# Altium PCB 第十三届电磁PCB.PcbDoc (part 2 of 2)
Units mil, origin at the board's own origin, x right, y up, seen from the top; angles counter-clockwise.
Board outline 3925 x 2095 mil, 2 copper layers (Top Layer, Bottom Layer); 144 components, 101 nets, 511 pads, 324 vias.
Unrouted connection lines stored in the file: 143.
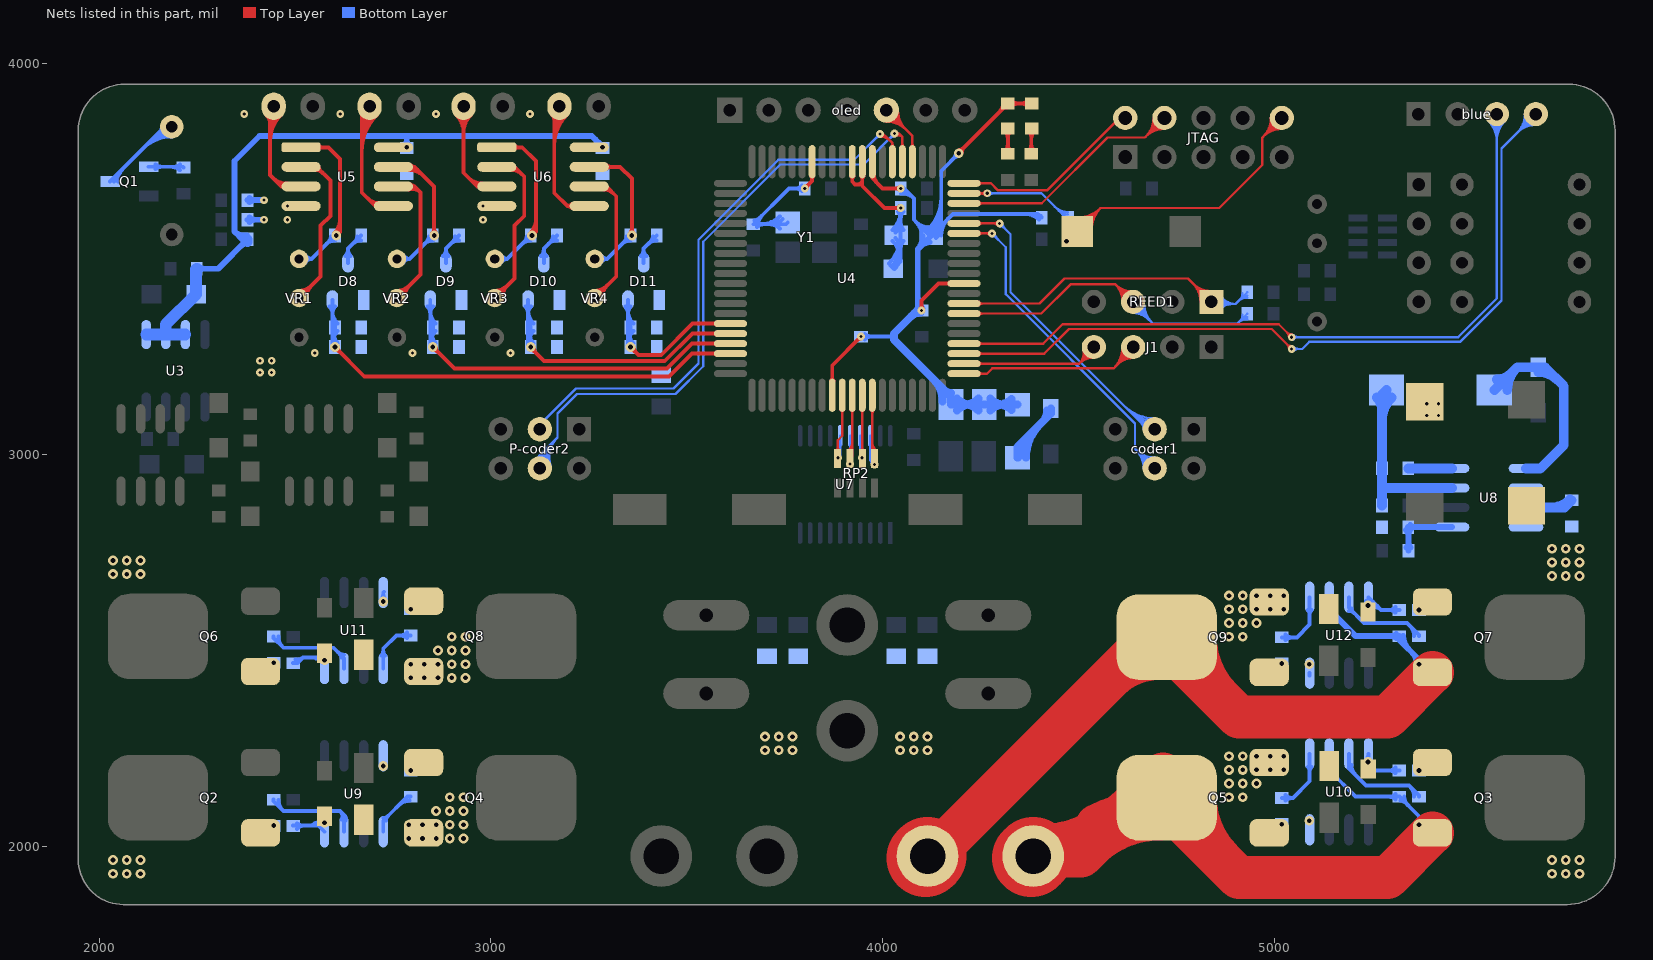
[diagram p2: the nets of this part, all layers, seen from the top]

## Via types
v1: diameter 25, hole 12, Top Layer to Bottom Layer, 212 vias
v2: diameter 31.5, hole 19.68, Top Layer to Bottom Layer, 64 vias
v3: diameter 20, hole 8, Top Layer to Bottom Layer, 40 vias
v4: diameter 28, hole 16, Top Layer to Bottom Layer, 5 vias
v5: diameter 20, hole 12, Top Layer to Bottom Layer, 2 vias
v6: diameter 40, hole 24, Top Layer to Bottom Layer, 1 vias

## Nets (pads, with @x,y where several pads share a name; then routed paths per layer and width w, separated by ;. In a path a pad name is that pad's centre, name@x,y a point inside that pad or via, vN(x,y) a via of type N, cw(c..) or ccw(c..) an arc to the next point about the centre after c; other vN are vias at no path point) (continued)
NetB2_1: B2.1 C43.2 Q3.3 Q5.2 U10.6 | length 2503.6
  Top Layer w110: B2.1@4385,1975 4507,1975 Q5.2@4716,2184 ; B2.1@4385,1998.74 ccw(c4385,2350.59) Q5.2@4633.79,2101.79 ; 4527.11,1995.11 cw(c4707.3,1814.93) Q5.2@4707.3,2069.75 ; 4548.48,2052.54 cw(c4643.88,1887.3) Q5.2@4693.26,2071.6 ; Q5.2@4766,2064 4910,1920 5290.03,1920 Q3.3@5404.27,2034.24 ; Q5.2@4798.95,2124 ccw(c5023.36,2124) 4864.68,1965.32
  Top Layer w200: B2.1@4380,1970 B2.1@4385,1975
  Bottom Layer w10: U10.6@5136.85,2202.41 cw(c5130.4,2194) 5141,2194 ; U10.6@5137.81,2207.81 ccw(c5163.45,2207.81) 5145.32,2189.68 ; U10.6@5141,2236 5141,2194 ; U10.6@5145.15,2202.41 ccw(c5151.6,2194) 5141,2194 ; U10.6@5147.81,2207.81 ccw(c5197.6,2207.81) 5162.39,2172.61 ; C43.2@5310.43,2119.43 ccw(c5293.36,2102.36) 5293.36,2126.5 ccw(c5293.36,2150.64) C43.2@5310.43,2133.57 ; C43.2@5322.5,2116.5 cw(c5322.5,2098.39) 5335.3,2111.2 ; C43.2@5332.5,2126.5 ccw(c5362.68,2126.5) 5341.34,2105.16 ; v1@5364.7,2060.3 ccw(c5351.89,2073.11) 5370,2073.11 ccw(c5388.11,2073.11) v1@5375.3,2060.3 ; v1(5370,2055) 5370,2076.5 C43.2@5320,2126.5 5208.5,2126.5 5141,2194
  Bottom Layer w190: B2.1@4380,1970 B2.1@4385,1975
NetB2_2: B2.2 C47.2 Q7.3 Q9.2 U12.6 | length 2329.4
  Top Layer w110: B2.2@4115,1975 4127,1975 Q9.2@4666,2514 ; 4578.33,2426.33 cw(c4707.3,2297.35) Q9.2@4707.3,2479.75 ; Q9.2@4684,2514 Q9.2@4716,2514 ; Q9.2@4766,2474 4910,2330 5290.03,2330 Q7.3@5404.27,2444.24 ; Q9.2@4798.95,2534 ccw(c5023.36,2534) 4864.68,2375.32
  Top Layer w200: B2.2@4110,1970 B2.2@4115,1975
  Bottom Layer w15: U12.6@5141,2636 5141,2604 5208.5,2536.5 C47.2@5320,2536.5 5320,2527 5370,2477 v1(5370,2465) ; U12.6@5145.31,2607.81 ccw(c5164.92,2607.81) 5151.05,2593.95 ; C47.2@5312.2,2531.2 ccw(c5299.39,2518.39) 5299.39,2536.5 ccw(c5299.39,2554.61) C47.2@5312.2,2541.8 ; C47.2@5330,2536.5 ccw(c5377.08,2536.5) 5343.79,2503.21 ; 5352.98,2494.02 cw(c5323.96,2465) v1@5365,2465
  Bottom Layer w190: B2.2@4110,1970 B2.2@4115,1975
NetBZ1_2: BZ1.2 Q1.3 | length 471.1
  Bottom Layer w10: Q1.3@2027.44,3698.03 2167.2,3837.8 BZ1.2@2185,3837.8 ; Q1.3@2037.05,3698.03 cw(c2060.24,3698.03) 2043.84,3714.43 ; Q1.3@2047.05,3698.03 cw(c2094.38,3698.03) 2060.91,3731.5 ; 2111.94,3782.53 cw(c2185,3709.47) BZ1.2@2185,3812.8 ; 2129.01,3799.6 cw(c2185,3743.62) BZ1.2@2185,3822.8 ; 2146.08,3816.68 cw(c2185,3777.76) BZ1.2@2185,3832.8 ; 2154.91,3825.5 ccw(c2142.61,3837.8) BZ1.2@2160,3837.8
NetC20_1: C20.1 C21.2 L1.1 U4.9 U4.10 | length 970
  Top Layer w10: U4.10@3920.07,3712.04 cw(c3913.48,3705.45) 3922.8,3705.45 cw(c3932.11,3705.45) U4.10@3925.53,3712.04 ; U4.10@3922.8,3748.23 3922.8,3697.2 3930,3690 3940,3690 3948.39,3698.39 ; U4.9@3945.66,3712.04 cw(c3939.07,3705.45) 3948.39,3705.45 cw(c3957.7,3705.45) U4.9@3951.11,3712.04 ; U4.9@3948.39,3748.23 3948.39,3686.61 4005,3630 v3(4046.5,3630) ; v3@4042.96,3626.46 ccw(c4034.43,3617.93) 4034.43,3630 ccw(c4034.43,3642.07) v3@4042.96,3633.54
  Bottom Layer w10: C20.1@4016.21,3488.17 ccw(c3943.08,3561.29) L1.1@4046.5,3561.29 ; C20.1@4020,3483 C20.1@4028,3475 4046.5,3493.5 v3(4046.5,3630) ; C20.1@4023.28,3481.1 ccw(c3967.23,3537.15) L1.1@4046.5,3537.15 ; L1.1@4025.86,3545.86 cw(c3976.02,3496.02) C20.1@4046.5,3496.02 ; L1.1@4025.86,3574.14 ccw(c3976.02,3623.98) C21.2@4046.5,3623.98 ; C20.1@4030.35,3474.03 ccw(c3991.37,3513.01) 4046.5,3513.01 ; L1.1@4032.93,3552.93 cw(c4000.17,3520.17) 4046.5,3520.17 ; L1.1@4032.93,3567.07 ccw(c4000.17,3599.83) 4046.5,3599.83 ; C21.2@4039.43,3620.43 cw(c4022.36,3603.36) 4046.5,3603.36 cw(c4070.64,3603.36) C21.2@4053.57,3620.43 ; C21.2@4042.22,3627.42 cw(c4027.63,3618.64) C21.2@4044.15,3614.53 ; C21.2@4042.96,3626.46 cw(c4034.43,3617.93) 4046.5,3617.93 cw(c4058.57,3617.93) C21.2@4050.04,3626.46 ; 4046.5,3527.41 cw(c4072.59,3527.41) L1.1@4054.14,3545.86 ; 4046.5,3592.59 ccw(c4072.59,3592.59) L1.1@4054.14,3574.14
NetC27_1: C27.1 D8.3 | length 159.7
  Bottom Layer w10: D8.3@2627.93,3507.07 ccw(c2610.86,3524.14) 2635,3524.14 ccw(c2659.14,3524.14) D8.3@2642.07,3507.07 ; D8.3@2635,3490 2635,3526.5 C27.1@2668.5,3560 ; 2647.16,3538.66 cw(c2668.5,3517.32) C27.1@2668.5,3547.5 ; 2653.2,3544.7 ccw(c2640.39,3557.5) C27.1@2658.5,3557.5
NetC27_2: C27.2 U5.1 VR1.1 | length 657.9
  Top Layer w10: U5.1@2515,3785 2585,3785 2615,3755 2615,3570 ; U5.1@2557.8,3779.7 cw(c2570.61,3766.89) 2570.61,3785 cw(c2570.61,3803.11) U5.1@2557.8,3790.3 ; v1@2599.7,3565.3 ccw(c2562.75,3602.25) 2615,3602.25 ; v1(2605,3560) 2615,3570 ; v1@2606.42,3567.37 ccw(c2608.22,3576.78) 2615,3570 ; v1@2606.77,3558.23 ccw(c2586.89,3578.11) 2615,3578.11 ; v1@2612.37,3561.42 cw(c2621.78,3563.22) 2615,3570
  Bottom Layer w10: VR1.1@2510,3500 2541.5,3500 ; VR1.1@2526.32,3491.02 cw(c2541.5,3482.67) 2541.5,3500 ; VR1.1@2526.32,3508.98 ccw(c2541.5,3517.33) 2541.5,3500 ; 2580.16,3538.66 cw(c2601.5,3517.32) C27.2@2601.5,3547.5 ; C27.2@2589.24,3544.22 ccw(c2581.91,3571.58) C27.2@2607.23,3558.88 ; C27.2@2591.5,3557.5 cw(c2573.39,3557.5) 2586.2,3544.7 cw(c2605,3525.94) C27.2@2605,3552.5 ; C27.2@2601.5,3560 2541.5,3500
NetC31_1: C31.1 D9.3 | length 159.7
  Bottom Layer w10: D9.3@2877.93,3507.07 ccw(c2860.86,3524.14) 2885,3524.14 ccw(c2909.14,3524.14) D9.3@2892.07,3507.07 ; D9.3@2885,3490 2885,3526.5 C31.1@2918.5,3560 ; 2897.16,3538.66 cw(c2918.5,3517.32) C31.1@2918.5,3547.5 ; 2903.2,3544.7 ccw(c2890.39,3557.5) C31.1@2908.5,3557.5
NetC31_2: C31.2 U5.7 VR2.1 | length 610.9
  Top Layer w10: U5.7@2750.98,3735 2805,3735 ; U5.7@2788.48,3727.5 cw(c2788.48,3669.52) 2829.48,3710.52 ; U5.7@2788.48,3737.5 cw(c2788.48,3703.66) 2812.41,3727.59 ; U5.7@2794.13,3730.06 cw(c2805,3720.57) 2805,3735 ; U5.7@2794.13,3739.94 ccw(c2805,3749.43) 2805,3735 ; v1@2849.7,3565.3 ccw(c2836.89,3578.11) 2855,3578.11 ccw(c2873.11,3578.11) v1@2860.3,3565.3 ; v1(2855,3560) 2855,3685 2805,3735
  Bottom Layer w10: VR2.1@2760,3500 2791.5,3500 ; VR2.1@2776.32,3491.02 cw(c2791.5,3482.67) 2791.5,3500 ; VR2.1@2776.32,3508.98 ccw(c2791.5,3517.33) 2791.5,3500 ; 2830.16,3538.66 cw(c2851.5,3517.32) C31.2@2851.5,3547.5 ; C31.2@2839.24,3544.22 ccw(c2831.91,3571.58) C31.2@2857.23,3558.88 ; C31.2@2841.5,3557.5 cw(c2823.39,3557.5) 2836.2,3544.7 cw(c2855,3525.94) C31.2@2855,3552.5 ; C31.2@2851.5,3560 2791.5,3500
NetC33_1: C33.1 D10.3 | length 159.7
  Bottom Layer w10: D10.3@3127.93,3507.07 ccw(c3110.86,3524.14) 3135,3524.14 ccw(c3159.14,3524.14) D10.3@3142.07,3507.07 ; D10.3@3135,3490 3135,3526.5 C33.1@3168.5,3560 ; 3147.16,3538.66 cw(c3168.5,3517.32) C33.1@3168.5,3547.5 ; 3153.2,3544.7 ccw(c3140.39,3557.5) C33.1@3158.5,3557.5
NetC33_2: C33.2 U6.1 VR3.1 | length 654.9
  Top Layer w10: U6.1@3015,3785 3080,3785 3115,3750 3115,3570 ; U6.1@3057.8,3779.7 cw(c3070.61,3766.89) 3070.61,3785 cw(c3070.61,3803.11) U6.1@3057.8,3790.3 ; v1@3099.7,3565.3 ccw(c3062.75,3602.25) 3115,3602.25 ; v1(3105,3560) 3115,3570 ; v1@3106.42,3567.37 ccw(c3108.22,3576.78) 3115,3570 ; v1@3106.77,3558.23 ccw(c3086.89,3578.11) 3115,3578.11 ; v1@3112.37,3561.42 cw(c3121.78,3563.22) 3115,3570
  Bottom Layer w10: VR3.1@3010,3500 3041.5,3500 ; VR3.1@3026.32,3491.02 cw(c3041.5,3482.67) 3041.5,3500 ; VR3.1@3026.32,3508.98 ccw(c3041.5,3517.33) 3041.5,3500 ; 3080.16,3538.66 cw(c3101.5,3517.32) C33.2@3101.5,3547.5 ; C33.2@3089.24,3544.22 ccw(c3081.91,3571.58) C33.2@3107.23,3558.88 ; C33.2@3091.5,3557.5 cw(c3073.39,3557.5) 3086.2,3544.7 cw(c3105,3525.94) C33.2@3105,3552.5 ; C33.2@3101.5,3560 3041.5,3500
NetC36_1: C36.1 D11.3 | length 159.7
  Bottom Layer w10: D11.3@3382.93,3507.07 ccw(c3365.86,3524.14) 3390,3524.14 ccw(c3414.14,3524.14) D11.3@3397.07,3507.07 ; D11.3@3390,3490 3390,3526.5 C36.1@3423.5,3560 ; 3402.16,3538.66 cw(c3423.5,3517.32) C36.1@3423.5,3547.5 ; 3408.2,3544.7 ccw(c3395.39,3557.5) C36.1@3413.5,3557.5
NetC36_2: C36.2 U6.7 VR4.1 | length 559.4
  Top Layer w10: U6.7@3250.98,3735 3330,3735 3360,3705 v1(3360,3560) ; U6.7@3293.79,3729.7 cw(c3306.59,3716.89) 3306.59,3735 cw(c3306.59,3753.11) U6.7@3293.79,3740.3 ; v1@3354.7,3565.3 ccw(c3341.89,3578.11) 3360,3578.11 ccw(c3378.11,3578.11) v1@3365.3,3565.3
  Bottom Layer w10: VR4.1@3265,3500 3296.5,3500 ; VR4.1@3281.32,3491.02 cw(c3296.5,3482.67) 3296.5,3500 ; VR4.1@3281.32,3508.98 ccw(c3296.5,3517.33) 3296.5,3500 ; 3335.16,3538.66 cw(c3356.5,3517.32) C36.2@3356.5,3547.5 ; C36.2@3344.24,3544.22 ccw(c3336.91,3571.58) C36.2@3362.23,3558.88 ; C36.2@3346.5,3557.5 cw(c3328.39,3557.5) 3341.2,3544.7 cw(c3360,3525.94) C36.2@3360,3552.5 ; C36.2@3356.5,3560 3296.5,3500
NetC40_1: C40.1 U8.3 | length 178.5
  Bottom Layer w25: U8.3@5643.49,2865 5741.5,2865 C40.1@5760,2883.5 ; 5706.8,2865 ccw(c5706.8,2934.2) C40.1@5755.73,2885.27
NetC42_1: C42.1 D13.2 U9.8 | length 299
  Bottom Layer w10: C42.1@2495,2053 2559,2053 ; C42.1@2504.57,2044.43 cw(c2525.26,2023.74) 2525.26,2053 ; C42.1@2504.57,2058.57 ccw(c2518.02,2072.02) 2518.02,2053 ; 2529.13,2053 ccw(c2529.13,2111.06) U9.8@2570.18,2070.01 ; 2539.99,2053 ccw(c2539.99,2095.01) U9.8@2569.7,2065.3 ; 2549.69,2058.18 cw(c2557.6,2044.48) U9.8@2569.4,2055.01 ; 2553.27,2053 ccw(c2553.27,2086.92) U9.8@2577.25,2062.93 ; 2560.34,2064.32 cw(c2566.97,2052.84) U9.8@2576.87,2061.66 ; U9.8@2567.54,2060.74 cw(c2559,2061.58) 2559,2053 ; U9.8@2567.63,2061.42 cw(c2557.7,2063.33) 2562.76,2054.56 cw(c2566.21,2048.58) U9.8@2570.43,2054.06 ; U9.8@2575,2037 2559,2053
  other v1: 2575,2060
NetC43_1: C43.1 D14.2 U10.8 | length 228.3
  Bottom Layer w10: U10.8@5234.7,2220.3 ccw(c5219.48,2235.52) U10.8@5241,2235.52 ; U10.8@5241,2201 cw(c5241,2181.69) 5254.66,2195.34 ; U10.8@5241,2230.69 ccw(c5255.69,2230.69) U10.8@5245.3,2220.3 ; U10.8@5241,2236 5241,2209 5256.5,2193.5 C43.1@5320,2193.5 ; U10.8@5247.5,2215 ccw(c5277.68,2215) 5256.34,2193.66 ; U10.8@5247.81,2207.81 ccw(c5261.38,2207.81) 5251.79,2198.21 ; C43.1@5310.43,2186.43 ccw(c5293.36,2169.36) 5293.36,2193.5 ccw(c5293.36,2217.64) C43.1@5310.43,2200.57
  other v1: 5240,2215
NetC46_1: C46.1 D15.2 U11.8 | length 180.1
  Bottom Layer w10: C46.1@2495,2467.5 2505.5,2467.5 2520,2482 ; C46.1@2500.39,2477.07 ccw(c2506.08,2495.92) 2520,2482 ; 2539.99,2482 cw(c2539.99,2439.99) U11.8@2569.7,2469.7 ; 2558.1,2482 ccw(c2558.1,2499.09) U11.8@2570.18,2487.01 ; 2559.01,2482 cw(c2559.01,2466.2) U11.8@2570.18,2477.37 ; U11.8@2564.14,2482 cw(c2564.14,2464.14) U11.8@2576.77,2476.77 ; U11.8@2575,2482 2520,2482
  other v1: 2575,2475
NetC47_1: C47.1 D16.2 U12.8 | length 211.1
  Bottom Layer w10: U12.8@5234.35,2626.15 cw(c5242.01,2611.04) 5253.98,2623.02 ; U12.8@5238.87,2617.23 cw(c5248.57,2598.08) 5263.74,2613.26 ; U12.8@5241,2636 5273.5,2603.5 ; U12.8@5243.39,2608.31 cw(c5255.13,2585.13) 5273.5,2603.5 ; C47.1@5310.43,2596.43 ccw(c5293.36,2579.36) 5293.36,2603.5 ccw(c5293.36,2627.64) C47.1@5310.43,2610.57 ; C47.1@5320,2603.5 5273.5,2603.5
  other v1: 5240,2615
NetD3_2: D3.2 F1.1 | length 344.9
  Bottom Layer w20: F1.1@4345,2992 4345,3020 4430,3105 D3.2@4430,3118.07 ; F1.1@4346.5,2992 cw(c4417.71,2992) 4367.35,3042.35 ; F1.1@4366.5,2992 cw(c4485.99,2992) 4401.49,3076.49 ; 4407.7,3082.7 ccw(c4377.26,3113.15) D3.2@4420.32,3113.15
NetD6_2: D6.2 R8.1 | length 140.8
  Top Layer w10: R8.1@4372.93,3775.57 ccw(c4355.86,3792.64) 4380,3792.64 ccw(c4404.14,3792.64) R8.1@4387.07,3775.57 ; D6.2@4373.93,3825.93 cw(c4359.27,3811.27) 4380,3811.27 ; R8.1@4380,3768.5 4380,3832 D6.2@4381,3833 ; 4380,3806.44 cw(c4407.56,3806.44) D6.2@4388.07,3825.93
NetD7_2: D7.2 R15.1 | length 140.3
  Top Layer w10: R15.1@4312.93,3775.57 ccw(c4295.86,3792.64) 4320,3792.64 ccw(c4344.14,3792.64) R15.1@4327.07,3775.57 ; D7.2@4312.93,3825.93 cw(c4295.86,3808.86) 4320,3808.86 cw(c4344.14,3808.86) D7.2@4327.07,3825.93 ; R15.1@4320,3768.5 D7.2@4320,3833
NetD12_1: D12.1 L2.2 U8.1 | length 649.5
  Bottom Layer w25: L2.2@5562.8,3165 5620.87,3223.07 D12.1@5675,3223.07 5691.93,3223.07 5740,3175 5740,3025 5680,2965 U8.1@5643.49,2965 ; L2.2@5568.7,3191.87 ccw(c5568.7,3242.48) 5604.49,3206.69 ; L2.2@5595.57,3165 cw(c5674.7,3165) 5618.75,3220.95 ; D12.1@5675,3210.96 cw(c5675,3140.87) 5724.57,3190.43
NetJ2_1: J2.1 U5.3 | length 516.2
  Top Layer w10: J2.1@2426.62,3867.62 cw(c2403.96,3844.96) 2436,3844.96 ; 2436,3801.5 cw(c2529.5,3801.5) J2.1@2463.38,3867.62 ; 2436,3825.64 cw(c2505.36,3825.64) J2.1@2456.31,3874.69 ; 2436,3849.79 cw(c2481.21,3849.79) J2.1@2449.24,3881.76 ; 2443.36,3706.64 ccw(c2477.5,3740.78) U5.3@2477.5,3692.5 ; J2.1@2445,3890 2436,3881 2436,3714 2465,3685 U5.3@2515,3685 ; 2460.43,3689.57 ccw(c2477.5,3706.64) U5.3@2477.5,3682.5
NetJ3_1: J3.1 U5.5 | length 652
  Top Layer w10: 2670,3774.95 cw(c2801.05,3774.95) J3.1@2708.38,3867.62 ; 2670,3799.09 cw(c2776.91,3799.09) J3.1@2701.31,3874.69 ; 2670,3823.23 cw(c2752.77,3823.23) J3.1@2694.24,3881.76 ; 2670,3847.37 cw(c2728.63,3847.37) J3.1@2687.17,3888.83 ; 2686.2,3653.8 ccw(c2713.48,3681.09) U5.5@2713.48,3642.5 ; J3.1@2690,3890 2670,3870 2670,3670 2705,3635 U5.5@2750.98,3635
NetJ4_1: J4.1 U6.3 | length 485.7
  Top Layer w10: J4.1@2911.62,3867.62 cw(c2867.23,3823.23) 2930,3823.23 cw(c2992.77,3823.23) J4.1@2948.38,3867.62 ; J4.1@2918.69,3874.69 cw(c2891.37,3847.37) 2930,3847.37 cw(c2968.63,3847.37) J4.1@2941.31,3874.69 ; J4.1@2930,3890 2930,3720 2965,3685 U6.3@3015,3685 ; 2943.36,3706.64 ccw(c2977.5,3740.78) U6.3@2977.5,3692.5 ; 2960.43,3689.57 ccw(c2977.5,3706.64) U6.3@2977.5,3682.5
NetJ5_1: J5.1 U6.5 | length 570.1
  Top Layer w10: J5.1@3156.62,3867.62 cw(c3144.23,3855.23) 3161.75,3855.23 ; 3161.75,3791.23 cw(c3269.77,3791.23) J5.1@3193.38,3867.62 ; 3161.75,3815.37 cw(c3245.63,3815.37) J5.1@3186.31,3874.69 ; 3161.75,3839.51 cw(c3221.49,3839.51) J5.1@3179.24,3881.76 ; J5.1@3175,3890 3161.75,3876.75 3161.75,3668.25 3195,3635 U6.5@3250.98,3635 ; U6.5@3208.18,3629.7 ccw(c3195.38,3616.89) 3195.38,3635 ccw(c3195.38,3653.11) U6.5@3208.18,3640.3
NetL2_1: L2.1 R23.1 R24.2 U8.7 | length 580.8
  Bottom Layer w25: L2.1@5262.3,3146 cw(c5230.43,3114.13) 5275.5,3114.13 ; R23.1@5275.5,2870 5275.5,2915 ; 5275.5,3086.13 cw(c5360.17,3086.13) L2.1@5300.3,3146 ; L2.1@5287.2,3165 5275.5,3153.3 R24.2@5275.5,2965 5275.5,2915 ; U8.7@5454.51,2915 5275.5,2915
NetQ1_1: Q1.1 R6.1 | length 161.2
  Bottom Layer w10: Q1.1@2125.87,3735.43 2213.07,3735.43 R6.1@2215,3733.5 ; Q1.1@2142.9,3729.22 cw(c2157.89,3714.24) 2157.89,3735.43 cw(c2157.89,3756.63) Q1.1@2142.9,3741.64 ; 2183.69,3735.43 cw(c2183.69,3704.69) R6.1@2205.43,3726.43 ; 2193.02,3735.43 ccw(c2193.02,3752.98) R6.1@2205.43,3740.57
NetQ2_1: Q2.1 R27.2
  other v1: 2445,2053
NetQ3_1: Q3.1 R28.2
  other v1: 5370,2193.5
NetQ4_1: Q4.1 R29.2
  other v1: 2795,2193.5
NetQ5_1: Q5.1 R30.2
  other v1: 5020,2056.5
NetQ6_1: Q6.1 R31.2
  other v1: 2445,2468.5
NetQ7_1: Q7.1 R32.2
  other v1: 5370,2603.5
NetQ8_1: Q8.1 R33.2
  other v1: 2795,2605.5
NetQ9_1: Q9.1 R34.2
  other v1: 5020,2466.5
NetR24_1: R24.1 U8.8 | length 112
  Bottom Layer w25: R24.1@5342.5,2965 U8.8@5454.51,2965
NetR25_2: R25.2 R26.2 U8.5 | length 257.8
  Bottom Layer w15: R26.2@5337.2,2807.2 cw(c5321.98,2791.98) 5343.5,2791.98 ; R25.2@5338.2,2762.8 ccw(c5325.39,2775.61) 5343.5,2775.61 ccw(c5361.61,2775.61) R25.2@5348.8,2762.8 ; R25.2@5343.5,2755 5343.5,2814 R26.2@5342.5,2815 U8.5@5454.51,2815 ; 5343.5,2796.81 cw(c5358.19,2796.81) R26.2@5347.8,2807.2 ; R26.2@5347.8,2809.7 cw(c5360.61,2796.89) 5360.61,2815 cw(c5360.61,2833.11) R26.2@5347.8,2820.3
NetR27_1: R27.1 U9.7 | length 332.3
  Bottom Layer w10: R27.1@2445,2115 2470,2090 2615,2090 ; R27.1@2445,2118.5 R27.1@2445,2120 ; R27.1@2457.5,2118.5 ccw(c2496.13,2118.5) 2468.81,2091.19 ; U9.7@2618.83,2068.08 ccw(c2601.31,2076.31) 2615,2090 ; U9.7@2620.57,2070.36 ccw(c2612.3,2080) 2625,2080 ; U9.7@2625,2037 2625,2080 ; 2625.07,2079.93 cw(c2615.02,2069.88) U9.7@2627.89,2063.83 ; U9.7@2629.43,2070.36 cw(c2637.7,2080) 2625,2080 ; 2615,2090 2625,2080
NetR28_1: R28.1 U10.7 | length 308
  Bottom Layer w10: U10.7@5191,2236 5191,2199 5235,2155 5345,2155 5370,2130 R28.1@5370,2126.5 ; U10.7@5197.81,2207.81 ccw(c5235.53,2207.81) 5208.86,2181.14 ; 5346.19,2153.81 cw(c5318.87,2126.5) R28.1@5357.5,2126.5
NetR29_1: R29.1 U9.5 | length 179.6
  Bottom Layer w10: U9.5@2725,2037 2725,2065 2786.5,2126.5 R29.1@2795,2126.5 ; U9.5@2725,2072 ccw(c2725,2088.9) 2736.95,2076.95 ; U9.5@2731.81,2065.19 cw(c2747.8,2065.19) 2736.49,2076.49 ; 2765.19,2105.19 cw(c2792.5,2077.87) R29.1@2792.5,2116.5
NetR30_1: R30.1 U10.5 | length 222.4
  Bottom Layer w10: R30.1@5020,2123.5 5048.5,2123.5 5091,2166 U10.5@5091,2236 ; R30.1@5029.57,2116.43 cw(c5046.64,2099.36) 5046.64,2123.5 cw(c5046.64,2147.64) R30.1@5029.57,2130.57 ; U10.5@5086.18,2202.99 cw(c5074.56,2191.37) 5091,2191.37 cw(c5107.44,2191.37) U10.5@5095.82,2202.99
NetR31_1: R31.1 U11.7 | length 287.2
  Bottom Layer w10: R31.1@2445,2535.5 2445,2532 2470,2507 2598,2507 2625,2480 U11.7@2625,2454 ; R31.1@2457.5,2535.5 ccw(c2496.13,2535.5) 2468.81,2508.19 ; 2609.64,2495.36 ccw(c2625,2510.73) U11.7@2625,2489 ; 2614.92,2490.08 cw(c2607.03,2482.19) U11.7@2618.19,2482.19
NetR32_1: R32.1 U12.7 | length 294.2
  Bottom Layer w10: U12.7@5191,2601 cw(c5191,2581.69) 5204.66,2595.34 ; U12.7@5191,2636 5191,2609 5230,2570 5340,2570 5370,2540 R32.1@5370,2536.5 ; U12.7@5197.81,2607.81 ccw(c5211.38,2607.81) 5201.79,2598.21 ; 5346.19,2563.81 cw(c5318.87,2536.5) R32.1@5357.5,2536.5
NetR33_1: R33.1 U11.5 | length 198.6
  Bottom Layer w10: U11.5@2720.18,2487.01 ccw(c2708.56,2498.63) 2725,2498.63 ccw(c2741.44,2498.63) U11.5@2729.82,2487.01 ; U11.5@2725,2454 2725,2505 2758.5,2538.5 R33.1@2795,2538.5 ; R33.1@2785.43,2531.43 ccw(c2768.36,2514.36) 2768.36,2538.5 ccw(c2768.36,2562.64) R33.1@2785.43,2545.57
NetR34_1: R34.1 U12.5 | length 218.2
  Bottom Layer w10: R34.1@5020,2533.5 5058.5,2533.5 5091,2566 U12.5@5091,2636 ; R34.1@5029.57,2526.43 cw(c5046.64,2509.36) 5046.64,2533.5 cw(c5046.64,2557.64) R34.1@5029.57,2540.57 ; U12.5@5086.18,2602.99 cw(c5074.56,2591.37) 5091,2591.37 cw(c5107.44,2591.37) U12.5@5095.82,2602.99
NetU5_2: U5.2 VR1.2 | length 521.7
  Top Layer w10: VR1.2@2510,3400 2565,3455 2565,3585 2590,3610 2590,3700 2555,3735 U5.2@2515,3735 ; VR1.2@2510,3418.62 ccw(c2510,3463.58) 2541.79,3431.79 ccw(c2573.58,3400) VR1.2@2528.62,3400 ; U5.2@2552.5,3727.5 cw(c2552.5,3703.36) 2569.57,3720.43 ; U5.2@2560,3735 ccw(c2572.07,3735) 2563.54,3726.46
NetU5_6: U5.6 VR2.2 | length 519
  Top Layer w10: U5.6@2750.98,3685 2805,3685 ; VR2.2@2760,3400 2820,3460 2820,3670 ; VR2.2@2760,3418.62 ccw(c2760,3463.58) 2791.79,3431.79 ccw(c2823.58,3400) VR2.2@2778.62,3400 ; U5.6@2787.82,3687.41 cw(c2793.32,3667.57) 2807.87,3682.13 ; U5.6@2790.49,3677.77 cw(c2798.58,3648.58) 2820,3670 ; U5.6@2794.13,3680.06 cw(c2805,3670.57) 2805,3685 ; U5.6@2794.13,3689.94 ccw(c2805,3699.43) 2805,3685 ; 2805,3685 2820,3670
NetU6_2: U6.2 VR3.2 | length 520.5
  Top Layer w10: VR3.2@3010,3400 3060,3450 3060,3585 3085,3610 3085,3710 3060,3735 U6.2@3015,3735 ; VR3.2@3010,3418.62 ccw(c3010,3463.58) 3041.79,3431.79 ccw(c3073.58,3400) VR3.2@3028.62,3400 ; U6.2@3052.5,3727.5 cw(c3052.5,3691.29) 3078.11,3716.89
NetU6_6: U6.6 VR4.2 | length 459.3
  Top Layer w10: U6.6@3250.98,3685 3295,3685 3320,3660 3320,3455 VR4.2@3265,3400 ; VR4.2@3265,3418.62 ccw(c3265,3463.58) 3296.79,3431.79 ccw(c3328.58,3400) VR4.2@3283.62,3400 ; U6.6@3288.48,3677.5 cw(c3288.48,3643.66) 3312.41,3667.59
PA4_DIO: JTAG.10 U4.80 | length 518.1
  Top Layer w6: U4.80@4208.23,3693.11 4276.89,3693.11 4295,3675 4420,3675 4605,3860 JTAG.10@4620,3860 ; U4.80@4245.83,3688.97 cw(c4255.84,3678.97) 4255.84,3693.11 cw(c4255.84,3707.25) U4.80@4245.83,3697.25
PC4_CLK: JTAG.9 U4.78 | length 874.6
  Top Layer w6: U4.78@4208.23,3641.93 4406.93,3641.93 4575,3810 4670,3810 JTAG.9@4720,3860 ; U4.78@4245.83,3637.79 cw(c4255.84,3627.79) 4255.84,3641.93 cw(c4255.84,3656.07) U4.78@4245.83,3646.07 ; JTAG.9@4692,3860 cw(c4624.4,3860) 4672.2,3812.2 cw(c4720,3764.4) JTAG.9@4720,3832 ; JTAG.9@4698,3860 cw(c4644.89,3860) 4682.44,3822.44 cw(c4720,3784.89) JTAG.9@4720,3838 ; JTAG.9@4704,3860 cw(c4665.37,3860) 4692.69,3832.69 cw(c4720,3805.37) JTAG.9@4720,3844
PC6_UART1_RX: blue.3 U4.64 | length 2232.4
  Top Layer w6: U4.64@4208.23,3283.66 4410.66,3283.66 4460,3333 5012,3333 v3(5045,3300) ; U4.64@4245.83,3279.52 cw(c4255.84,3269.52) 4255.84,3283.66 cw(c4255.84,3297.8) U4.64@4245.83,3287.8 ; v3@5038,3300 ccw(c5021.1,3300) 5033.05,3311.95 ccw(c5045,3323.9) v3@5045,3307
  Bottom Layer w6: v3(5045,3300) 5470,3300 5568.71,3398.71 blue.3@5568.71,3870 ; v3@5049.95,3295.05 cw(c5061.9,3283.1) 5061.9,3300 cw(c5061.9,3316.9) v3@5049.95,3304.95 ; blue.3@5548.91,3850.2 cw(c5501.11,3802.4) 5568.71,3802.4 cw(c5636.31,3802.4) blue.3@5588.51,3850.2 ; blue.3@5553.15,3854.44 cw(c5515.6,3816.89) 5568.71,3816.89 cw(c5621.82,3816.89) blue.3@5584.26,3854.44 ; blue.3@5557.39,3858.69 cw(c5530.08,3831.37) 5568.71,3831.37 cw(c5607.34,3831.37) blue.3@5580.02,3858.69
PC7_UART1_TX: blue.4 U4.63 | length 2309.2
  Top Layer w6: U4.63@4208.23,3258.07 4413.07,3258.07 4476,3321 4994,3321 v3(5045,3270) ; U4.63@4245.83,3253.93 cw(c4255.84,3243.93) 4255.84,3258.07 cw(c4255.84,3272.21) U4.63@4245.83,3262.21 ; v3@5038,3270 ccw(c5021.1,3270) 5033.05,3281.95 ccw(c5045,3293.9) v3@5045,3277
  Bottom Layer w6: v3(5045,3270) 5072,3270 5090,3288 5474.97,3288 5580.71,3393.74 5580.71,3782 blue.4@5668.71,3870 ; v3@5049.95,3265.05 cw(c5061.9,3253.1) 5061.9,3270 cw(c5061.9,3286.9) v3@5049.95,3274.95 ; blue.4@5640.71,3870 cw(c5573.11,3870) 5620.91,3822.2 cw(c5668.71,3774.4) blue.4@5668.71,3842 ; blue.4@5646.71,3870 cw(c5593.6,3870) 5631.15,3832.44 cw(c5668.71,3794.89) blue.4@5668.71,3848 ; blue.4@5652.71,3870 cw(c5614.08,3870) 5641.39,3842.69 cw(c5668.71,3815.37) blue.4@5668.71,3854
PE0_FTM0_COUNT: coder1.2 U4.76 | length 1208.1
  Top Layer w6: U4.76@4208.23,3590.75 v3(4299.25,3590.75) ; U4.76@4245.83,3586.6 cw(c4255.84,3576.6) 4255.84,3590.75 cw(c4255.84,3604.89) U4.76@4245.83,3594.89 ; v3@4294.3,3585.8 ccw(c4282.35,3573.85) 4282.35,3590.75 ccw(c4282.35,3607.65) v3@4294.3,3595.7
  Bottom Layer w6: v3@4299.25,3583.75 cw(c4299.25,3566.85) 4311.2,3578.8 cw(c4323.15,3590.75) v3@4306.25,3590.75 ; v3(4299.25,3590.75) 4327,3563 4327,3414.97 4676.97,3065 coder1.2@4695,3065 ; 4616.42,3125.55 ccw(c4695,3204.12) coder1.2@4695,3093 ; 4626.67,3115.31 ccw(c4695,3183.64) coder1.2@4695,3087 ; 4636.91,3105.06 ccw(c4695,3163.15) coder1.2@4695,3081 ; 4647.15,3094.82 ccw(c4695,3142.67) coder1.2@4695,3075 ; 4657.39,3084.58 ccw(c4695,3122.18) coder1.2@4695,3069 ; 4659.95,3082.02 cw(c4642.93,3065) coder1.2@4667,3065